# KiCad board proteus.kicad_pcb
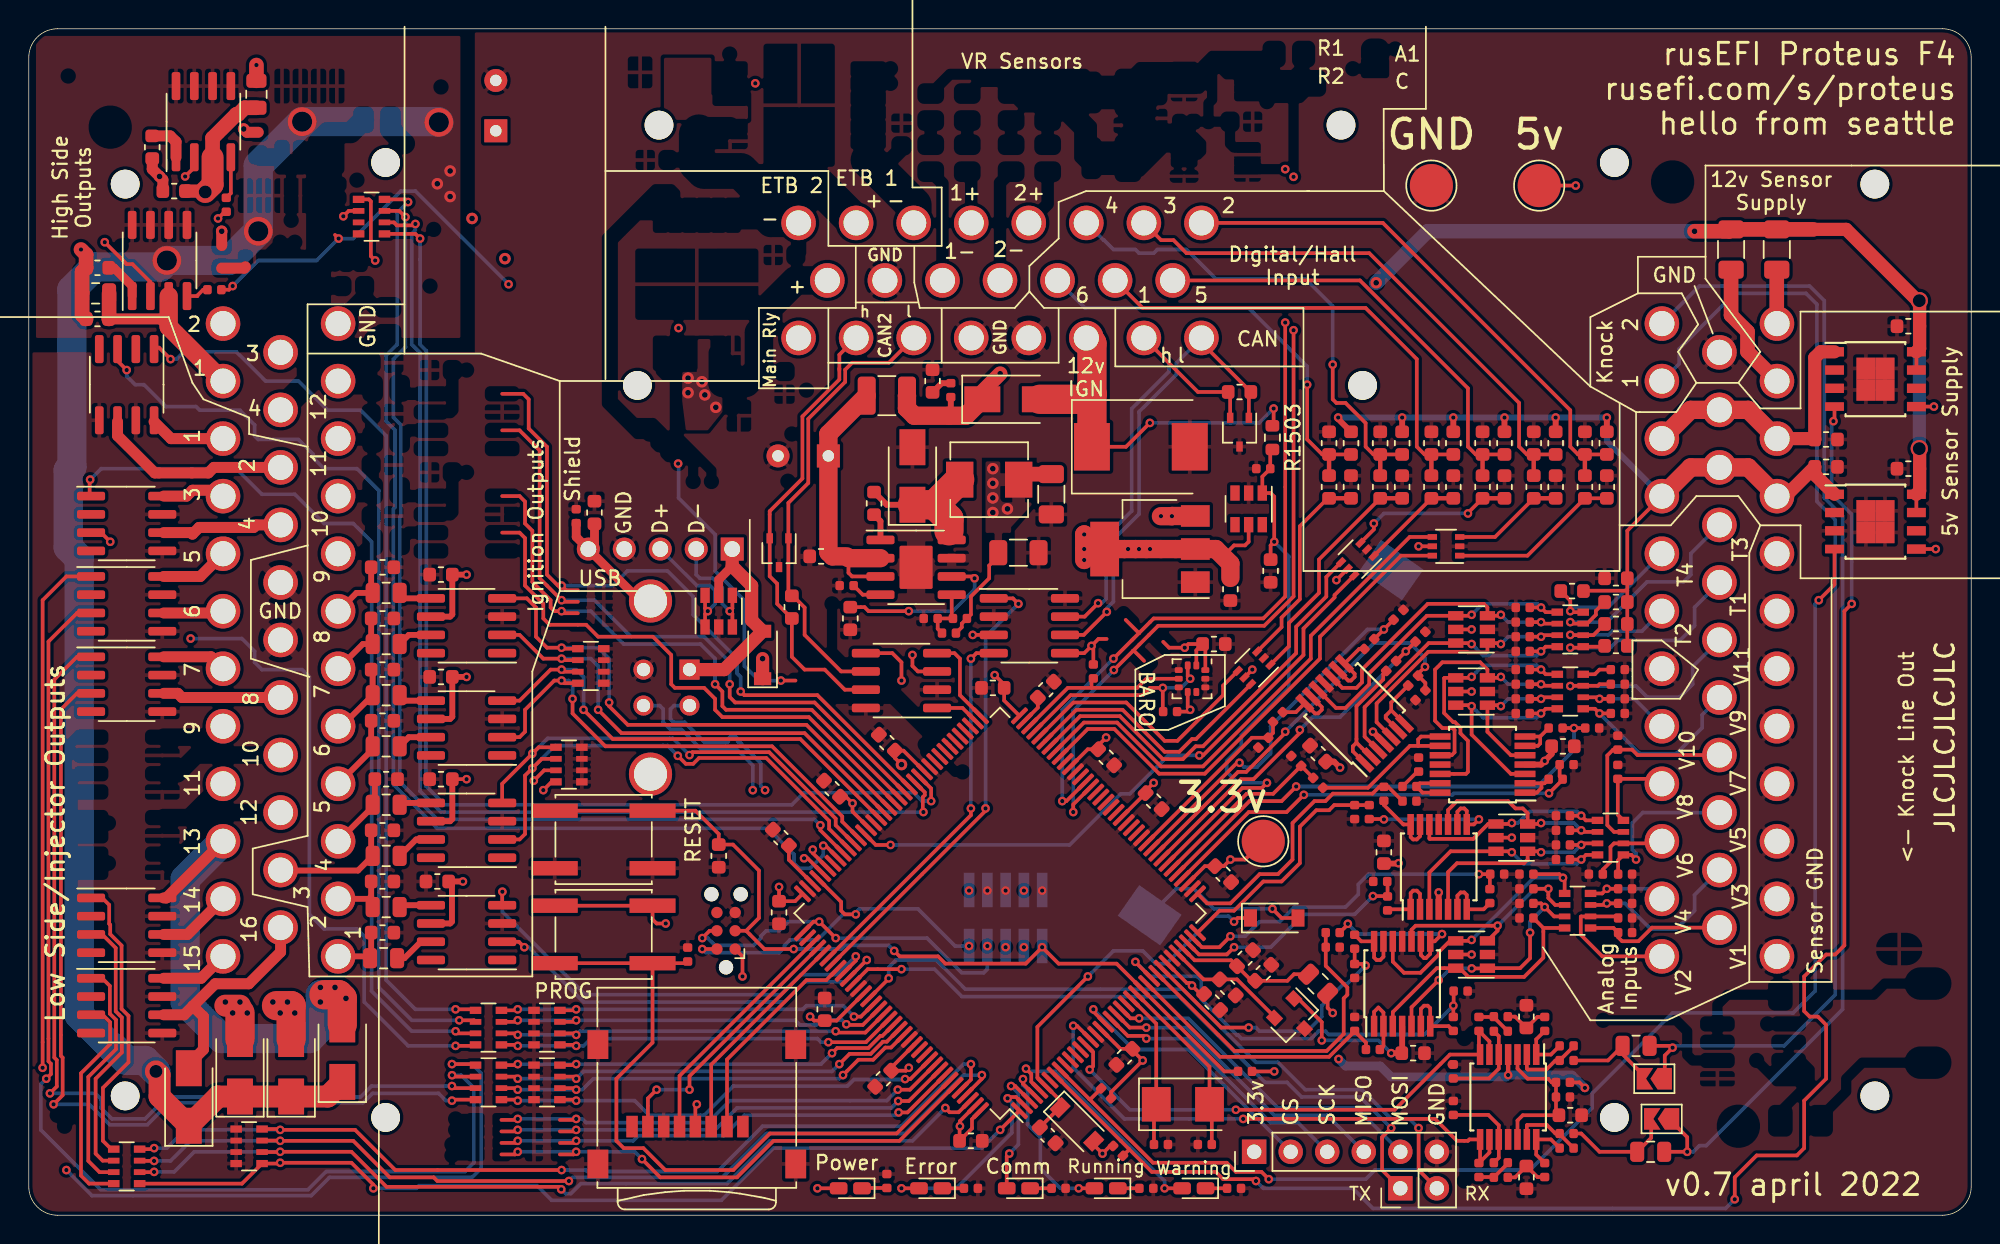
[diagram p0: board, top side]
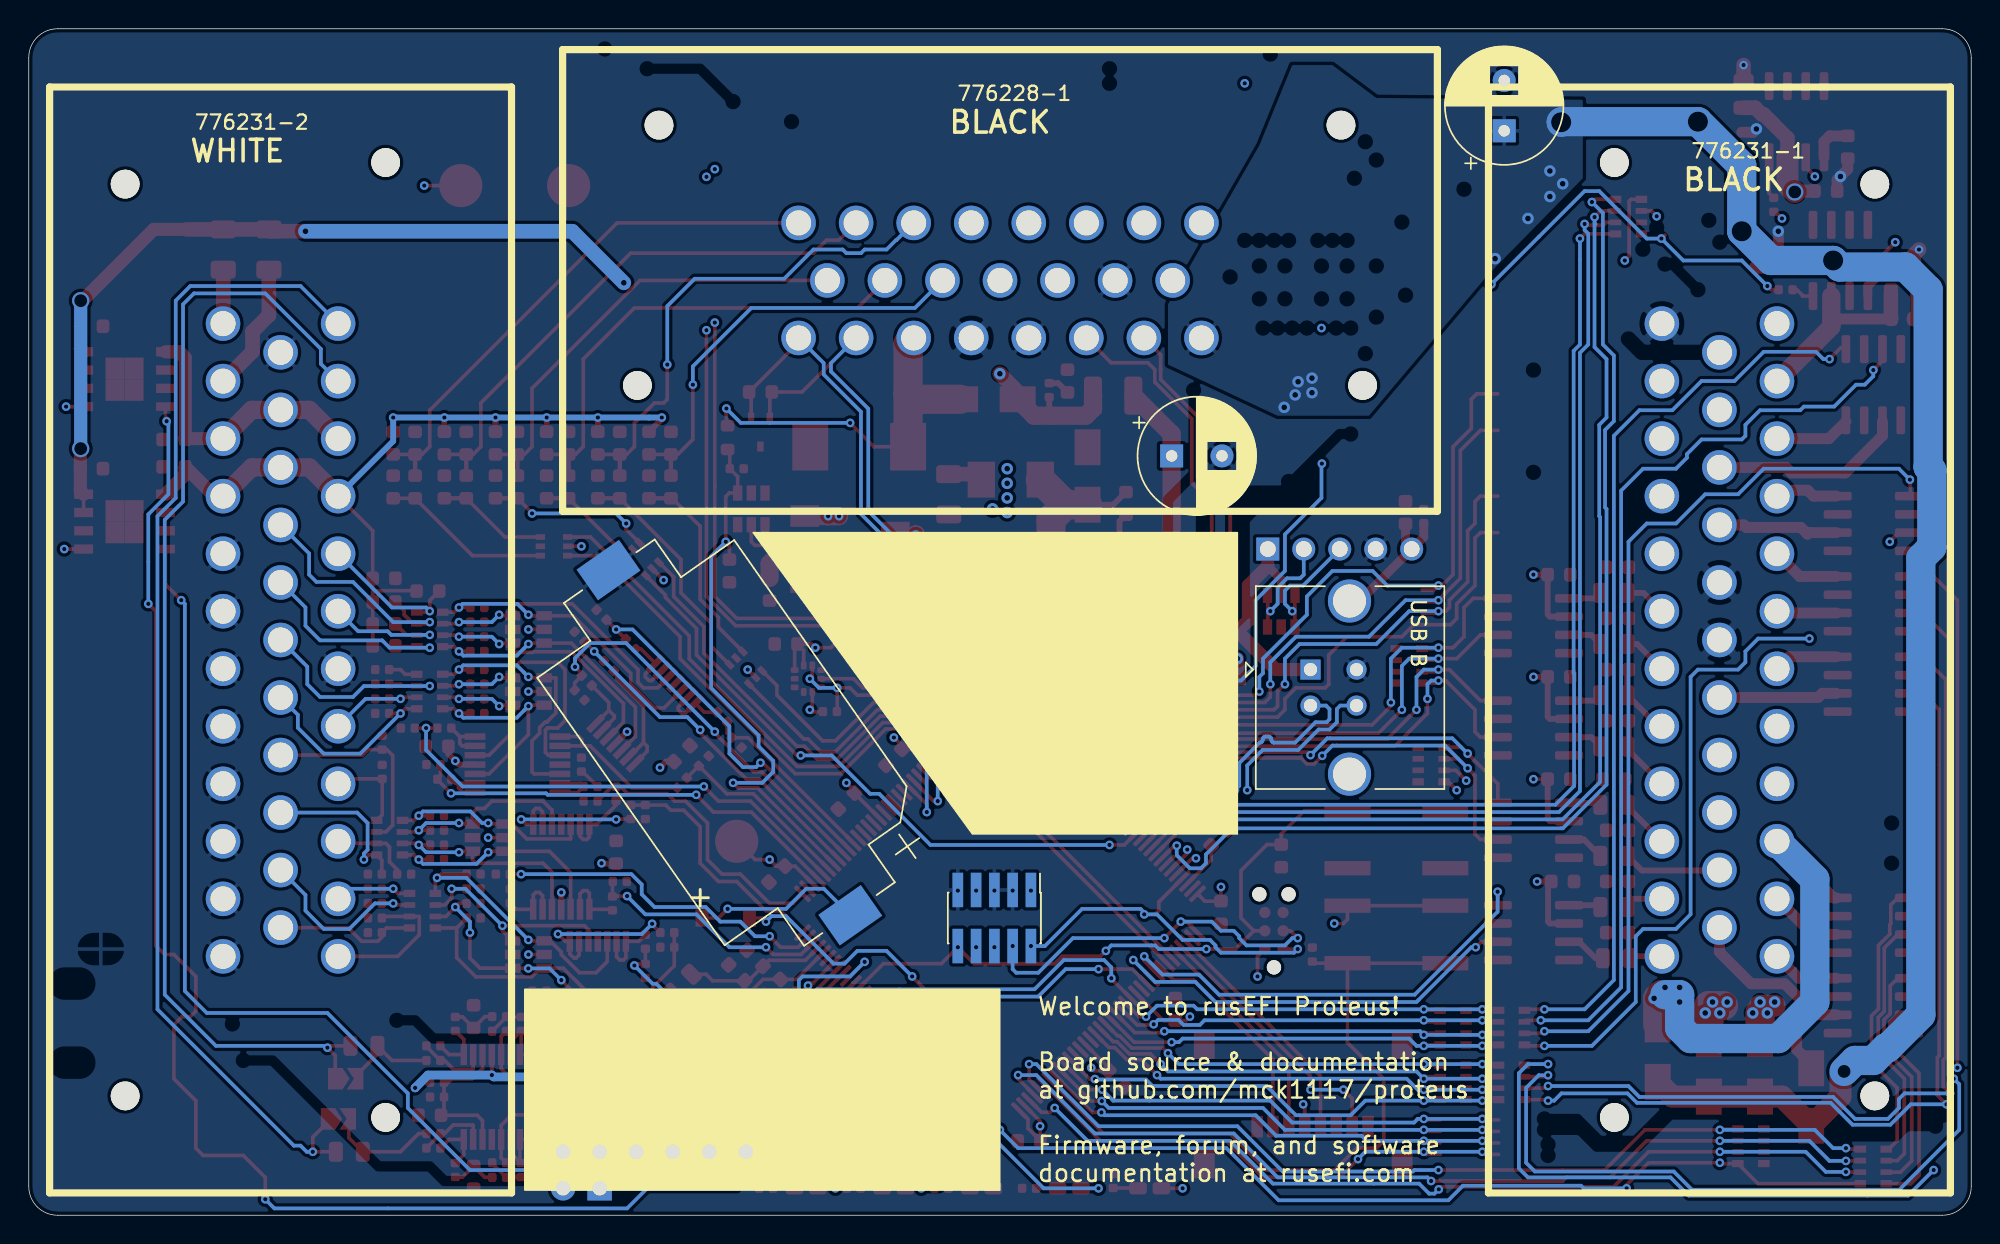
[diagram p1: board, bottom side, seen from below]

Outline 135 x 82.5 mm; copper layers: Top, In1.Cu (plane), In2.Cu (plane), Bottom. Coordinates in mm from the lower left corner of the outline.
Outline path: 0,80.5 0,2 arc(0.59,0.59) 2,0 133,0 arc(134.41,0.59) 135,2 135,80.5 arc(134.41,81.91) 133,82.5 2,82.5 arc(0.59,81.91) 0,80.5

## Placement (name value [footprint] x y rotation side)
BT1  Battery_Cell  [BatteryHolder_Keystone_1060_1x2032]  86.31 32.86 55 bottom
C1  100n  [C_0402_1005Metric]  104.09 20.67 180 top
C2  100n  [C_0402_1005Metric]  104.09 21.68 180 top
C3  100n  [C_0402_1005Metric]  104.09 22.7 180 top
C4  100n  [C_0402_1005Metric]  104.09 23.72 180 top
C5  100n  [C_0402_1005Metric]  106.63 24.73 180 top
C6  100n  [C_0402_1005Metric]  106.63 25.75 180 top
C7  100n  [C_0402_1005Metric]  106.63 26.76 180 top
C8  100n  [C_0402_1005Metric]  106.63 27.78 180 top
C9  100n  [C_0402_1005Metric]  103.83 34.89 180 top
C10  100n  [C_0402_1005Metric]  103.83 35.91 180 top
C11  100n  [C_0402_1005Metric]  103.83 36.92 180 top
C12  100n  [C_0402_1005Metric]  103.83 37.94 180 top
C13  100n  [C_0402_1005Metric]  103.83 39.21 180 top
C14  100n  [C_0402_1005Metric]  103.83 40.23 180 top
C15  100n  [C_0402_1005Metric]  103.83 41.24 180 top
C16  100n  [C_0402_1005Metric]  103.83 42.26 180 top
C17  56u  [CP_Radial_D8.0mm_P3.50mm]  32.46 75.41 90 bottom
C20  100n  [C_0603_1608Metric]  82.37 39.72 0 top
C21  680p  [C_0603_1608Metric]  104.09 13.81 270 top
C22  680p  [C_0603_1608Metric]  104.09 2.63 90 top
C23  330p  [C_0402_1005Metric]  100.78 13.3 270 top
C24  330p  [C_0402_1005Metric]  100.78 3.14 90 top
C25  47p  [C_0402_1005Metric]  99.01 10 270 top
C26  47p  [C_0402_1005Metric]  99.01 7.46 270 top
C30  4.7u  [C_0603_1608Metric]  70.81 5.55 315 top
C701  100n  [C_0603_1608Metric]  96.21 11.27 0 top
C801  100n  [C_0603_1608Metric]  94.18 25.24 90 top
C901  100n  [C_0603_1608Metric]  106.63 32.61 0 top
C902  10n  [C_0603_1608Metric]  57.1 41.5 270 top
C903  4.7u  [C_0603_1608Metric]  83.51 43.53 270 top
C904  100n  [C_0603_1608Metric]  58.75 49.5 90 top
C905  330p  [C_0402_1005Metric]  63.95 40.48 180 top
C906  10u  [C_1206_3216Metric]  71.07 50.13 270 top
C1001  56u  [CP_Radial_D8.0mm_P3.50mm]  55.57 52.8 180 bottom
C1002  1u  [C_0603_1608Metric]  55.06 45.81 180 top
C1004  10u  [C_1206_3216Metric]  68.78 46.07 0 top
C1006  4.7u  [C_0603_1608Metric]  62.81 58.01 90 top
C1015  1u  [C_0603_1608Metric]  130.63 51.91 180 top
C1016  1u  [C_0603_1608Metric]  124.91 52.04 0 top
C1017  1u  [C_0603_1608Metric]  130.63 61.82 180 top
C1018  1u  [C_0603_1608Metric]  124.91 53.94 0 top
C1101  100n  [C_0603_1608Metric]  89.61 32.1 135 top
C1204  1n  [C_0603_1608Metric]  101.04 53.69 90 top
C1205  1n  [C_0603_1608Metric]  102.56 50.64 90 top
C1207  1n  [C_0603_1608Metric]  90.37 53.69 90 top
C1208  1n  [C_0603_1608Metric]  91.89 50.64 90 top
C1301  10n  [C_0603_1608Metric]  4.77 62.32 180 top
C1302  10n  [C_0603_1608Metric]  10.11 71.21 180 top
C1401  1n  [C_0603_1608Metric]  97.48 53.69 90 top
C1402  1n  [C_0603_1608Metric]  99.01 50.64 90 top
C1403  1n  [C_0603_1608Metric]  108.15 53.69 90 top
C1404  1n  [C_0603_1608Metric]  109.67 50.64 90 top
C1405  1n  [C_0603_1608Metric]  104.59 53.69 90 top
C1406  1n  [C_0603_1608Metric]  106.12 50.64 90 top
C1407  1n  [C_0603_1608Metric]  93.93 53.69 90 top
C1408  1n  [C_0603_1608Metric]  95.45 50.64 90 top
C1409  100n  [C_0603_1608Metric]  110.31 44.29 0 top
C1501  100n  [C_0603_1608Metric]  84.53 17.87 45 top
C1502  4.7u  [C_0603_1608Metric]  85.8 16.86 45 top
C1503  100n  [C_0603_1608Metric]  67 36.67 0 top
C1504  100n  [C_0603_1608Metric]  74.88 31.84 135 top
C1505  100n  [C_0603_1608Metric]  82.24 14.83 135 top
C1506  4.7u  [C_0603_1608Metric]  83 23.72 135 top
C1507  4.7u  [C_0603_1608Metric]  59.64 32.86 315 top
C1508  100n  [C_0603_1608Metric]  55.83 29.66 315 top
C1509  100n  [C_0603_1608Metric]  78.18 28.8 135 top
C1510  100n  [C_0603_1608Metric]  55.32 14.32 270 top
C1511  100n  [C_0603_1608Metric]  65.48 5.17 180 top
C1512  4.7u  [C_0603_1608Metric]  59.38 9.49 45 top
C1513  100n  [C_0603_1608Metric]  52.14 21.05 90 top
C1515  4.7u  [C_0603_1608Metric]  76.15 11.02 45 top
C1516  100n  [C_0603_1608Metric]  39.32 48.86 90 top
C1517  100n  [C_0603_1608Metric]  47.95 24.99 90 top
C1518  2.2u  [C_0603_1608Metric]  70.69 36.54 45 top
C1519  2.2u  [C_0603_1608Metric]  52.27 26.26 135 top
C1520  100n  [C_0603_1608Metric]  83.32 15.84 315 top
C1521  33p  [C_0402_1005Metric]  78.69 4.92 0 top
C1522  33p  [C_0402_1005Metric]  81.73 4.92 180 top
C1523  1u  [C_0603_1608Metric]  86.31 44.8 270 top
C1604  100n  [C_0603_1608Metric]  28.39 23.21 0 top
C1605  10n  [C_0603_1608Metric]  24.58 19.65 0 top
C1606  10n  [C_0603_1608Metric]  24.58 23.21 0 top
C1607  100n  [C_0603_1608Metric]  28.65 30.32 0 top
C1608  10n  [C_0603_1608Metric]  24.58 26.76 0 top
C1609  10n  [C_0603_1608Metric]  24.84 30.32 0 top
C1701  100n  [C_0603_1608Metric]  28.65 37.43 0 top
C1702  10n  [C_0603_1608Metric]  24.58 34.38 0 top
C1703  10n  [C_0603_1608Metric]  24.58 37.94 0 top
C1704  100n  [C_0603_1608Metric]  28.65 44.54 0 top
C1705  10n  [C_0603_1608Metric]  24.58 41.5 0 top
C1706  10n  [C_0603_1608Metric]  24.58 45.05 0 top
C1901  3.3n  [C_0805_2012Metric]  111.71 11.78 0 top
C1902  3.3n  [C_0805_2012Metric]  112.72 4.41 0 top
C1903  10n  [C_0603_1608Metric]  107.13 6.95 180 top
D1  PESD1CAN-UX  [SOT-323_SC-70]  84.15 54.45 270 top
D2  PESD1CAN-UX  [SOT-323_SC-70]  52.14 46.07 270 top
D3  schottky  [D_SOD-123]  86.56 20.67 0 top
D4  schottky  [D_SOD-123]  72.84 6.32 315 top
D101  D_Schottky  [D_SMA]  14.68 10.25 90 top
D102  D_Schottky  [D_SMA]  11.12 8.22 90 top
D103  D_Schottky  [D_SMA]  21.79 11.27 90 top
D104  D_Schottky  [D_SMA]  18.23 10.25 90 top
D901  D_Schottky  [D_SMA]  61.41 51.4 90 top
D903  D_Schottky  [D_SMA]  68.27 56.74 0 top
D1001  SM15T33CA  [D_SMC]  77.29 53.43 0 top
D1501  SRV05-4  [SOT-23-6]  84.78 49.12 270 top
D1502  GREEN  [LED_0603_1608Metric_Castellated]  57.1 1.87 180 top
D1503  schottky  [D_SOD-123]  51 38.96 90 top
D1504  RED  [LED_0603_1608Metric_Castellated]  62.68 1.87 180 top
D1505  BLUE  [LED_0603_1608Metric_Castellated]  68.78 1.87 180 top
D1506  GREEN  [LED_0603_1608Metric_Castellated]  74.88 1.87 180 top
D1507  ORANGE  [LED_0603_1608Metric_Castellated]  80.97 1.87 180 top
F101  Polyfuse  [R_1206_3216Metric]  118.31 67.15 90 top
F102  Polyfuse  [R_1206_3216Metric]  121.49 67.15 270 top
FB1501  Ferrite_Bead  [L_0805_2012Metric]  89.61 16.1 135 top
J1  Micro_SD_Card  [microSD_HC_Wuerth_693072010801]  46.43 7.71 180 top
J2  Conn_01x02  [PinHeader_1x02_P2.54mm_Vertical]  95.32 1.87 90 top
J4  Conn_01x06  [Tag-Connect_TC2030-IDC-NL_2x03_P1.27mm_Vertical]  48.46 19.78 90 top
J101  Conn_01x23  [ampseal-23]  67.5 65 180 bottom
J102  Conn_01x35  [ampseal-35]  17.5 40 270 bottom
J103  Conn_01x35  [ampseal-35-2]  117.5 40 90 bottom
J105  Conn_01x01  [TestPoint_Pad_D3.0mm]  97.48 71.59 0 top
J107  Conn_01x01  [TestPoint_Pad_D3.0mm]  104.97 71.59 0 top
J108  Conn_01x01  [TestPoint_Pad_D3.0mm]  85.8 26 0 top
J1501  USB_B  [USB_B_TE_5787834_Vertical]  45.92 37.94 90 bottom
J1502  Conn_02x05_Odd_Even  [PinHeader_2x05_P1.27mm_Vertical_SMD]  67.89 20.67 270 bottom
J1504  USB_B  [conn_5_2.5mm]  43.89 46.32 180 top
J1505  Conn_01x06  [PinHeader_1x06_P2.54mm_Vertical]  85.16 4.41 90 top
JP1  Jumper_NO_Small  [SolderJumper-2_P1.3mm_Open_TrianglePad1.0x1.5mm]  112.98 9.49 180 top
JP2  Jumper_NO_Small  [SolderJumper-2_P1.3mm_Open_TrianglePad1.0x1.5mm]  113.48 6.7 180 top
L1001  10u  [MWSA0503]  66.75 51.15 180 top
L1002  2.2u  [L_1210_3225Metric]  59.64 56.99 180 top
R1  5.6k  [R_0402_1005Metric]  93.42 11.52 0 top
R2  5.6k  [R_0402_1005Metric]  99.01 13.3 270 top
R3  5.6k  [R_0402_1005Metric]  90.62 19.65 0 top
R4  5.6k  [R_0402_1005Metric]  92.15 19.02 90 top
R5  10k  [R_0402_1005Metric]  92.15 13.3 270 top
R6  10k  [R_0402_1005Metric]  99.51 15.59 180 top
R7  10k  [R_0402_1005Metric]  90.62 18.64 180 top
R8  10k  [R_0402_1005Metric]  92.15 16.98 90 top
R9  5.6k  [R_0402_1005Metric]  94.43 21.68 270 top
R10  5.6k  [R_0402_1005Metric]  101.55 22.19 270 top
R11  5.6k  [R_0402_1005Metric]  93.16 28.03 270 top
R12  5.6k  [R_0402_1005Metric]  94.18 29.3 270 top
R13  10k  [R_0402_1005Metric]  93.93 23.21 0 top
R14  10k  [R_0402_1005Metric]  102.05 23.72 180 top
R15  10k  [R_0402_1005Metric]  92.15 28.03 90 top
R16  10k  [R_0402_1005Metric]  95.96 28.8 180 top
R17  5.6k  [R_0402_1005Metric]  106.12 30.32 180 top
R18  5.6k  [R_0402_1005Metric]  106.12 33.88 180 top
R19  5.6k  [R_0402_1005Metric]  89.61 30.07 315 top
R20  5.6k  [R_0402_1005Metric]  95.96 29.81 0 top
R21  10k  [R_0402_1005Metric]  106.88 31.34 180 top
R22  10k  [R_0402_1005Metric]  108.66 33.88 180 top
R23  10k  [R_0402_1005Metric]  88.08 31.59 315 top
R24  10k  [R_0402_1005Metric]  96.59 31.34 270 top
R25  5.6k  [R_0402_1005Metric]  94.69 38.19 225 top
R26  5.6k  [R_0402_1005Metric]  96.21 37.18 225 top
R27  5.6k  [R_0402_1005Metric]  93.16 39.72 225 top
R28  5.6k  [R_0402_1005Metric]  86.81 34.64 45 top
R29  10k  [R_0402_1005Metric]  96.72 40.23 225 top
R30  10k  [R_0402_1005Metric]  96.72 36.16 45 top
R31  10k  [R_0402_1005Metric]  95.2 41.75 225 top
R32  10k  [R_0402_1005Metric]  85.8 32.86 45 top
R33  120  [R_0603_1608Metric]  53.03 42.28 90 top
R34  4.7k  [R_0805_2012Metric]  4.64 64.1 180 top
R35  4.7k  [R_0805_2012Metric]  15.82 77.94 90 top
R38  33k  [R_0402_1005Metric]  106.63 8.22 0 top
R39  1k  [R_0402_1005Metric]  73.99 37.81 270 top
R40  33k  [R_0402_1005Metric]  106.63 9.24 0 top
R41  1k  [R_0402_1005Metric]  79.32 35.02 180 top
R42  12k  [R_0402_1005Metric]  105.36 13.3 270 top
R43  12k  [R_0402_1005Metric]  105.36 3.14 90 top
R44  100k  [R_0402_1005Metric]  102.31 13.81 0 top
R45  100k  [R_0402_1005Metric]  102.31 2.63 0 top
R46  33k  [R_0402_1005Metric]  102.31 12.79 0 top
R47  33k  [R_0402_1005Metric]  102.31 3.65 0 top
R701  470k  [R_0402_1005Metric]  110.94 19.65 0 top
R702  470k  [R_0402_1005Metric]  110.94 20.67 0 top
R703  470k  [R_0402_1005Metric]  110.94 21.68 0 top
R704  470k  [R_0402_1005Metric]  110.94 22.7 0 top
R801  470k  [R_0402_1005Metric]  110.94 23.72 0 top
R802  470k  [R_0402_1005Metric]  108.91 23.72 180 top
R803  470k  [R_0402_1005Metric]  110.44 32.86 90 top
R804  470k  [R_0402_1005Metric]  110.44 30.83 90 top
R901  470k  [R_0402_1005Metric]  110.44 34.89 0 top
R902  470k  [R_0402_1005Metric]  110.44 35.91 0 top
R903  470k  [R_0402_1005Metric]  110.44 36.92 0 top
R904  470k  [R_0402_1005Metric]  110.44 37.94 0 top
R905  10k  [R_0402_1005Metric]  56.84 43.78 180 top
R906  1  [R_0402_1005Metric]  64.08 57.37 90 top
R907  12k  [R_0402_1005Metric]  62.68 41.5 180 top
R908  68k  [R_0402_1005Metric]  64.72 41.5 0 top
R1004  120  [R_0603_1608Metric]  84.15 57.24 0 top
R1006  10k  [R_0402_1005Metric]  74.88 8.48 315 top
R1007  10k  [R_0402_1005Metric]  75.7 4.48 135 top
R1101  2.7k  [R_0603_1608Metric]  110.31 39.59 180 top
R1102  2.7k  [R_0603_1608Metric]  110.31 41.11 180 top
R1103  2.7k  [R_0603_1608Metric]  110.31 42.64 180 top
R1104  2.7k  [R_0603_1608Metric]  107.26 43.4 180 top
R1105  10k  [R_0402_1005Metric]  12.9 64.36 0 top
R1106  120  [R_0603_1608Metric]  4.77 65.88 180 top
R1107  10k  [R_0402_1005Metric]  13.73 70.26 270 top
R1108  120  [R_0603_1608Metric]  8.58 74.26 270 top
R1201  2.7k  [R_0603_1608Metric]  102.56 53.69 270 top
R1202  2.7k  [R_0603_1608Metric]  101.04 50.64 90 top
R1203  2.7k  [R_0603_1608Metric]  91.89 53.69 270 top
R1204  2.7k  [R_0603_1608Metric]  90.37 50.64 90 top
R1401  2.7k  [R_0603_1608Metric]  99.01 53.69 270 top
R1402  2.7k  [R_0603_1608Metric]  97.48 50.64 90 top
R1403  2.7k  [R_0603_1608Metric]  109.67 53.69 270 top
R1404  2.7k  [R_0603_1608Metric]  108.15 50.64 90 top
R1405  2.7k  [R_0603_1608Metric]  106.12 53.69 270 top
R1406  2.7k  [R_0603_1608Metric]  104.59 50.64 90 top
R1407  2.7k  [R_0603_1608Metric]  95.45 53.69 270 top
R1408  2.7k  [R_0603_1608Metric]  93.93 50.64 90 top
R1501  100k  [R_0402_1005Metric]  38.05 48.61 90 top
R1502  10k  [R_0402_1005Metric]  84.53 10 0 top
R1503  82k  [R_0603_1608Metric#2]  86.43 54.07 270 top
R1504  10k  [R_0402_1005Metric]  85.8 51.91 180 top
R1508  330  [R_0402_1005Metric]  59.64 2.38 270 top
R1509  330  [R_0402_1005Metric]  65.48 1.87 180 top
R1510  330  [R_0402_1005Metric]  71.57 1.87 180 top
R1511  330  [R_0402_1005Metric]  77.67 1.87 180 top
R1512  330  [R_0402_1005Metric]  83.77 1.87 180 top
R1513  10k  [R_0402_1005Metric]  45.79 18.13 90 top
R1601  100  [R_0805_2012Metric]  24.66 17.87 0 top
R1602  100  [R_0805_2012Metric]  24.84 21.43 0 top
R1603  100  [R_0805_2012Metric]  24.84 24.99 0 top
R1604  100  [R_0805_2012Metric]  24.84 28.54 0 top
R1701  100  [R_0805_2012Metric]  24.84 32.61 0 top
R1702  100  [R_0805_2012Metric]  24.84 36.16 0 top
R1703  100  [R_0805_2012Metric]  24.84 39.72 0 top
R1704  100  [R_0805_2012Metric]  24.84 43.27 0 top
R1901  100k  [R_0402_1005Metric]  106.88 10.76 0 top
R1902  100k  [R_0402_1005Metric]  106.88 5.68 0 top
R1903  470k  [R_0402_1005Metric]  106.88 11.78 0 top
R1904  470k  [R_0402_1005Metric]  106.88 4.67 0 top
RN201  1k  [R_Array_Convex_4x0603]  31.95 13.05 180 top
RN202  1k  [R_Array_Convex_4x0603]  36.01 13.05 0 top
RN301  1k  [R_Array_Convex_4x0603]  31.95 9.24 180 top
RN302  1k  [R_Array_Convex_4x0603]  36.01 9.24 0 top
RN501  1k  [R_Array_Convex_4x0603]  6.8 3.4 180 top
RN502  1k  [R_Array_Convex_4x0603]  15.31 4.79 0 top
RN701  10k  [R_Array_Convex_4x0603]  107.64 21.18 180 top
RN801  10k  [R_Array_Convex_4x0603]  109.93 26.26 180 top
RN901  10k  [R_Array_Convex_4x0603]  107.13 36.42 180 top
RN1101  10k  [R_Array_Convex_4x0603]  107.13 40.73 180 top
RN1301  10k  [R_Array_Convex_4x0603]  23.82 69.44 180 top
RN1601  1k  [R_Array_Convex_4x0603]  37.54 31.34 180 top
RN1701  1k  [R_Array_Convex_4x0603]  39.06 38.19 180 top
SW1501  SW_Push  [SW_SPST_EVQQ2]  39.95 26.13 0 top
SW1502  SW_Push  [SW_SPST_EVQQ2]  39.95 19.52 180 top
U1  SRV05-4  [SOT-23-6]  100.28 18.13 180 top
U2  SRV05-4  [SOT-23-6]  103.07 26.26 180 top
U3  SRV05-4  [SOT-23-6]  100.28 36.42 180 top
U4  SRV05-4  [SOT-23-6]  100.28 40.73 180 top
U5  MCP6004  [TSSOP-14_4.4x5mm_P0.65mm]  102.82 8.22 270 top
U6  TJA1051T-3  [SOIC-8_3.9x4.9mm_P1.27mm]  60.65 37.18 180 top
U8  REF3333  [SOT-23]  87.96 13.68 315 top
U9  LPS25HB  [ST_HLGA-10_2.5x2.5mm_P0.6mm_LayoutBorder3x2y]  80.84 37.3 270 top
U201  VNLD5160  [SOIC-8_3.9x4.9mm_P1.27mm]  6.8 57.75 270 top
U202  VNLD5160  [SOIC-8_3.9x4.9mm_P1.27mm]  6.8 48.1 0 top
U301  VNLD5160  [SOIC-8_3.9x4.9mm_P1.27mm]  6.8 42.51 0 top
U302  VNLD5160  [SOIC-8_3.9x4.9mm_P1.27mm]  6.8 36.92 0 top
U501  VNLD5160  [SOIC-8_3.9x4.9mm_P1.27mm]  6.8 20.16 0 top
U502  VNLD5160  [SOIC-8_3.9x4.9mm_P1.27mm]  6.8 14.57 0 top
U701  MCP6004  [TSSOP-14_4.4x5mm_P0.65mm]  95.45 16.1 90 top
U801  MCP6004  [TSSOP-14_4.4x5mm_P0.65mm]  97.99 24.22 90 top
U901  MCP6004  [TSSOP-14_4.4x5mm_P0.65mm]  101.04 31.34 180 top
U902  AMS1117-3.3  [SOT-223-3_TabPin2]  77.92 46.32 180 top
U903  LMR14020  [SOIC-8-1EP_3.9x4.9mm_P1.27mm_EP2.29x3mm]  61.67 45.05 0 top
U904  TJA1051T-3  [SOIC-8_3.9x4.9mm_P1.27mm]  69.54 40.99 0 top
U1004  TLS115  [Infineon_PG-DSO-8-43]  128.34 48.23 0 top
U1005  TLS115  [Infineon_PG-DSO-8-43]  128.34 58.13 0 top
U1101  MCP6004  [TSSOP-14_4.4x5mm_P0.65mm#2]  92.15 34.89 135 top
U1102  BTS4175SGA  [SOIC-8_3.9x4.9mm_P1.27mm]  9.09 66.39 90 top
U1103  BTS4175SGA  [SOIC-8_3.9x4.9mm_P1.27mm]  12.14 76.04 90 top
U1202  74HC2G17  [SOT-363_SC-70-6]  92.34 45.62 225 top
U1207  74HC2G17  [SOT-363_SC-70-6]  98.5 46.51 180 top
U1208  74HC2G17  [SOT-363_SC-70-6]  85.16 38.07 225 top
U1501  STM32F427ZGTx  [LQFP-144_20x20mm_P0.5mm]  67.5 21 135 top
U1502  USBLC6-2SC6  [SOT-23-6]  47.95 42 90 top
U1602  MIC4427  [SOIC-8_3.9x4.9mm_P1.27mm]  30.43 19.65 180 top
U1603  MIC4427  [SOIC-8_3.9x4.9mm_P1.27mm]  30.43 26.76 180 top
U1701  MIC4427  [SOIC-8_3.9x4.9mm_P1.27mm]  30.43 33.88 180 top
U1702  MIC4427  [SOIC-8_3.9x4.9mm_P1.27mm]  30.43 40.99 180 top
Y1501  8MHz  [Crystal_SMD_5032-2Pin_5.0x3.2mm]  80.21 7.71 0 top

## Library data of the parts
C1-C16 = -: LCSC: C1525; LCSC_ext: 0
C17 C1001 = -: LCSC: N/A; PN: EEH-AZF1H560B
C20 C701 C801 C901 C904 C1101 C1409 C1501 C1503-C1505 C1508-C1511 C1513 C1516 C1517 C1520 C1604 C1607 C1701 C1704 = -: LCSC: C14663; LCSC_ext: 0
C21 C22 = -: LCSC: C1630; LCSC_ext: 0
C23 C24 C905 = -: LCSC: C13533; LCSC_ext: 0
C25 C26 = -: LCSC: C1567; LCSC_ext: 0
C30 C1506 C1507 C1512 C1515 = -: LCSC: C19666; LCSC_ext: 0; PN: CGA3E2X7R1H103M080AA
C902 C1301 C1302 C1605 C1606 C1608 C1609 C1702 C1703 C1705 C1706 C1903 = -: LCSC: C57112; LCSC_ext: 0
C903 C1006 C1502 = -: LCSC: C19666; LCSC_ext: 0
C906 C1004 = -: LCSC: C13585; LCSC_ext: 0
C1002 C1015-C1018 C1523 = -: LCSC: C15849; LCSC_ext: 0
C1204 C1205 C1207 C1208 C1401-C1408 = -: LCSC: C1588; LCSC_ext: 0
C1518 C1519 = -: LCSC: C23630; LCSC_ext: 0
C1521 C1522 = -: LCSC: C1562; LCSC_ext: 0
C1901 C1902 = -: LCSC: C53175; LCSC_ext: 0
D1 D2 = -: LCSC: C152727; LCSC_ext: 1
D3 D4 D1503 = -: LCSC: C8598; LCSC_ext: 0
D101-D104 D901 D903 = -: LCSC: C8678; LCSC_ext: 0
D1001 = -: LCSC: C151281; LCSC_ext: 1; possible_not_ext: 1
D1501 U1-U4 = -: LCSC: C85364; LCSC_ext: 0
D1502 D1506 = -: LCSC: C72043; LCSC_ext: 0
D1504 = -: LCSC: C2286; LCSC_ext: 0
D1505 = -: LCSC: C72041; LCSC_ext: 0
D1507 = -: LCSC: C72038; LCSC_ext: 0
F101 F102 = -: LCSC: C207035; LCSC_ext: 1; PN: 1206L012WR
FB1501 = -: LCSC: C1015; LCSC_ext: 0
J1 = -: LCSC: C164170; PN: 47219-2001
J2 J105 J107 J108 J1505 JP1 JP2 = -: LCSC: N/A
J101 = -: LCSC: N/A; PN: 776228-1
J102 = -: LCSC: N/A; PN: 776231-1
J103 = -: LCSC: N/A; PN: 776231-2
J1501 = -: LCSC: N/A; PN: 5787834-1
J1502 = -: LCSC: N/A; PN: FTSH-105-01-F-DV-007-K
J1504 = -: LCSC: N/A; PN: UB-20PMFP-LC7002
L1001 = -: LCSC: C408412; LCSC_ext: 1; possible_not_ext: 1
L1002 = -: LCSC: C36828; LCSC_ext: 1; PN: SRN3015TA-2R2M; possible_not_ext: 1
R1-R4 R9-R12 R17-R20 R25-R28 = -: LCSC: C25908; LCSC_ext: 0
R5-R8 R13-R16 R21-R24 R29-R32 R905 R1006 R1007 R1105 R1107 R1502 R1504 R1513 = -: LCSC: C25744; LCSC_ext: 0
R33 R1004 R1106 R1108 = -: LCSC: C22787; LCSC_ext: 0
R34 R35 = -: LCSC: C17673; LCSC_ext: 0
R38 R40 R46 R47 = -: LCSC: C25779; LCSC_ext: 0
R39 R41 = -: LCSC: C11702; LCSC_ext: 0
R42 R43 = -: LCSC: C25752; LCSC_ext: 0
R44 R45 R1501 = -: LCSC: C25741; LCSC_ext: 0
R701-R704 R801-R804 R901-R904 = -: LCSC: C25790; LCSC_ext: 0
R906 = -: LCSC: C25086; LCSC_ext: 0
R907 = -: LCSC: C25752
R908 = -: LCSC: C36871
R1101-R1104 R1201-R1204 R1401-R1408 = -: LCSC: C13167; LCSC_ext: 0
R1503 = -: LCSC: C23254; LCSC_ext: 0
R1508-R1512 = -: LCSC: C25104
R1601-R1604 R1701-R1704 = -: LCSC: C17408; LCSC_ext: 0
R1901 R1902 = -: LCSC: C25741
R1903 R1904 = -: LCSC: C25790
RN201 RN202 RN301 RN302 RN501 RN502 RN1601 RN1701 = -: LCSC: C20197; LCSC_ext: 0
RN701 RN801 RN901 RN1301 = -: LCSC: C29718; LCSC_ext: 0; PN: CAT16-1002F4LF
RN1101 = -: LCSC: C29718; LCSC_ext: 0; PN: CAT16-473J4LF
SW1501 SW1502 = -: LCSC: C318887; LCSC_ext: 1
U5 U701 U801 U901 U1101 = -: LCSC: C50282; LCSC_ext: 1; PN: MCP6004T-I/ST; possible_not_ext: 1
U6 U904 = -: LCSC: C38695; LCSC_ext: 0
U8 = -: LCSC: C130016; LCSC_ext: 1; PN: REF3033
U9 = -: LCSC: C94049; LCSC_ext: 1
U201 U202 U301 U302 U501 U502 = -: LCSC: N/A; PN: VNLD5160TR-E
U902 = -: LCSC: C6186; LCSC_ext: 0
U903 = -: LCSC: C187824; LCSC_ext: 1; possible_not_ext: 0
U1004 U1005 = -: LCSC: N/A; PN: TLS115D0E
U1102 U1103 = -: LCSC: C152451; LCSC_ext: 1; PN: BTS4175; possible_not_ext: 1
U1202 U1207 U1208 = -: LCSC: C94189; LCSC_ext: 1; PN: 74HC2G17GW
U1501 = -: LCSC: C117816; PN: STM32F767ZIT6
U1502 = -: LCSC: C7519; LCSC_ext: 1; PN: USBLC6-2; possible_not_ext: 1
U1602 U1603 U1701 U1702 = -: LCSC: C20551; LCSC_ext: 1; PN: TC4427EOA; possible_not_ext: 1
Y1501 = -: LCSC: C115962; LCSC_ext: 0
